# Altium PCB 11BRANMB10H2_20170927.pcbdoc (part 2 of 11)
Units mm, origin at the board's own origin, x right, y up, seen from the top; angles counter-clockwise.
Board outline 91.65 x 48.25 mm, 6 copper layers (TOP, GND1, Singal, POWER, GND2, BOTTOM), stack 0.8 mm thick; 370 components, 289 nets, 1421 pads, 980 vias.
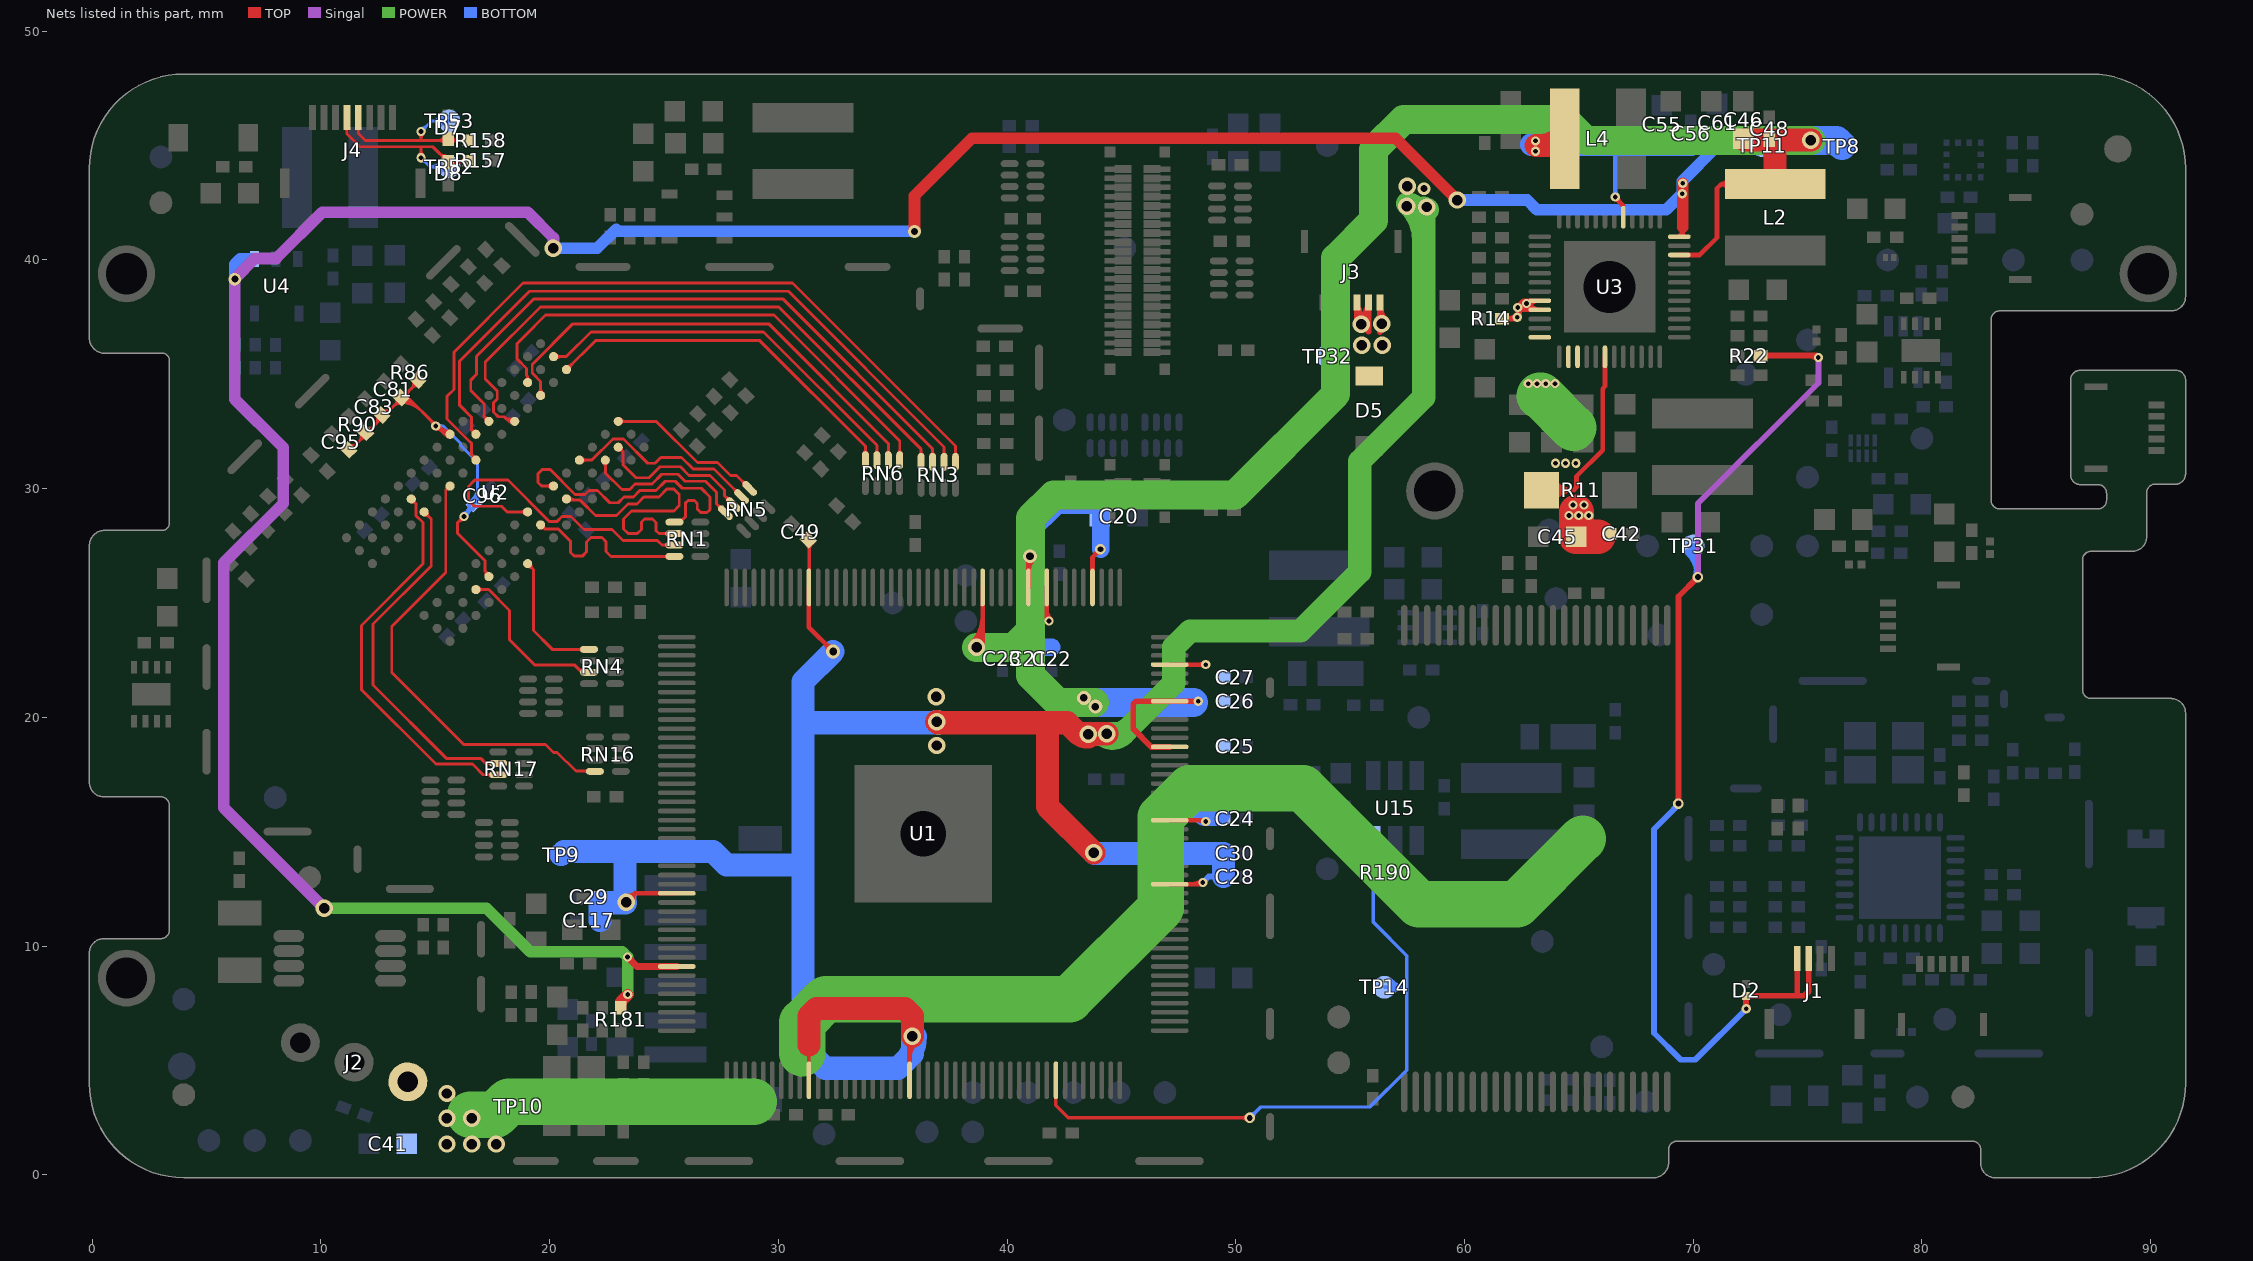
[diagram p6: the nets of this part, all layers, seen from the top]

## Via types
v1: diameter 0.406, hole 0.203, TOP to BOTTOM, tented both sides, 450 vias
v2: diameter 0.457, hole 0.254, TOP to BOTTOM, tented both sides, 256 vias
v3: diameter 0.559, hole 0.305, TOP to BOTTOM, tented both sides, 184 vias
v4: diameter 0.762, hole 0.457, TOP to BOTTOM, tented both sides, 69 vias
v5: diameter 0.61, hole 0.33, TOP to BOTTOM, tented both sides, 11 vias
v6: diameter 0.5, hole 0.2, TOP to BOTTOM, 9 vias
v7: diameter 0.508, hole 0.254, TOP to BOTTOM, tented both sides, 1 vias

## Nets (pads, with @x,y where several pads share a name; then routed paths per layer and width w, separated by ;. In a path a pad name is that pad's centre, name@x,y a point inside that pad or via, vN(x,y) a via of type N, cw(c..) or ccw(c..) an arc to the next point about the centre after c; other vN are vias at no path point) (continued)
AVCC: C61.1 R181.2 TP11.1 U1.81 U3.12 U4.1 | length 136.5
  TOP w0.203: U3.12@69.545,41.021 69.543,41.019 U3.12@69.393,41.019 69.545,41.171 ; 69.545,41.427 69.545,41.171 ; 69.545,41.171 cw(c69.391,41.171) 69.393,41.017 ccw(c69.391,41.171) 69.545,41.171 ; U3.12@69.394,41.018 ccw(c69.029,41.383) 69.545,41.383 cw(c69.029,41.383) U3.12@69.394,41.018
  TOP w0.305: v1(23.406,9.525) 23.823,9.108 U1.81@25.56,9.108
  TOP w0.508: R181.2@23.105,7.307 23.105,7.564 v1@23.417,7.876 ; v3(35.953,41.25) 35.953,42.811 38.468,45.326 56.985,45.326 v4(59.69,42.621) ; 69.545,41.427 69.545,42.9 v1(69.545,43.358) ; R181.2@23.101,7.357 cw(c23.591,7.357) 23.245,7.704 ccw(c23.591,7.357) R181.2@23.101,7.357
  Singal w0.508: v4(10.147,11.659) 5.753,16.053 5.753,26.758 8.344,29.35 8.344,31.8 6.236,33.909 v3(6.236,39.16) 6.236,39.186 7.112,40.062 8.033,40.062 10.055,42.084 19.04,42.084 20.166,40.959 v4(20.166,40.521)
  POWER w0.508: v4@10.198,11.709 v4(10.147,11.659) 17.238,11.659 19.147,9.749 23.181,9.749 v1(23.406,9.525) 23.417,9.514 v1(23.417,7.885)
  BOTTOM w0.508: v3(6.236,39.16) 6.236,39.821 6.464,40.049 U4.1@7.089,40.049 ; v4(20.166,40.521) 22.081,40.521 22.911,41.351 23.012,41.25 v3(35.953,41.25) ; v4(59.69,42.621) 62.738,42.621 63.162,42.197 68.817,42.197 v1(69.52,42.9) 69.52,43.358 69.52,43.449 71.042,44.972 C61.1@71.042,45.17 72.83,45.17 TP11.1@73,45 ; 72.419,45.061 ccw(c72.564,45.312) TP11.1@72.8,45.143 ; 71.515,45.17 ccw(c71.515,44.696) 71.181,45.031 cw(c71.515,44.696) 71.515,45.17 ; 71.515,45.17 cw(c71.515,45.643) 71.181,45.308 ccw(c71.515,45.643) 71.515,45.17 ; 70.568,44.497 ccw(c69.895,45.17) 70.846,45.17 cw(c69.895,45.17) 70.568,44.497 ; 71.997,45.17 cw(c71.997,43.997) 72.826,44.826 ccw(c71.997,43.997) 71.997,45.17
BA0: RN17.3 U2.M2 | length 17.9
  TOP w0.127: U2.M2@13.948,29.551 14.148,29.35 ; U2.M2@13.963,29.415 cw(c13.988,29.19) 14.148,29.35 ; U2.M2@14.083,29.535 ccw(c14.308,29.51) 14.148,29.35 ; RN17.3@17.448,17.429 ccw(c17.297,17.277) 17.297,17.492 ccw(c17.297,17.707) RN17.3@17.448,17.555 ; RN17.3@17.752,17.492 17.089,17.492 16.625,17.956 15.025,17.956 11.773,21.207 11.773,24.023 14.466,26.715 14.466,28.516 14.148,28.834 14.148,29.35
BA1: RN4.3 U2.N8 | length 8.4
  TOP w0.127: U2.N8@16.776,25.591 17.333,25.591 18.25,24.674 18.25,23.391 19.343,22.299 21.075,22.299 RN4.3@21.38,21.994 ; U2.N8@16.873,25.495 cw(c17.106,25.261) 17.106,25.591 cw(c17.106,25.921) U2.N8@16.873,25.688 ; 21.192,22.182 ccw(c21.483,22.473) RN4.3@21.483,22.062 ; RN4.3@21.38,21.994 21.703,21.994 RN4.3@21.724,21.973 RN4.3@21.38,21.994
BA2: RN17.2 U2.M3 | length 16.5
  TOP w0.127: U2.M3@14.513,28.848 cw(c14.513,28.519) 14.747,28.752 cw(c14.98,28.985) U2.M3@14.65,28.985 ; U2.M3@14.513,28.985 14.821,28.677 14.821,26.617 12.281,24.077 12.281,21.41 15.482,18.21 16.984,18.21 17.202,17.992 RN17.2@17.752,17.992 ; RN17.2@17.448,17.929 ccw(c17.297,17.777) 17.297,17.992 ccw(c17.297,18.207) RN17.2@17.448,18.055
BAT: C41.2 C42.2 C45.1 J2.1 R11.1 TP10.1 U3.38 U3.39 U3.42 | length 77.4
  TOP w0.203: R11.1@63.236,29.929 R11.1@63.363,29.929 64.768,29.929 ; U3.42@66.143,35.769 66.143,34.478 66.038,34.373 66.038,31.675 64.895,30.532 64.895,30.056 64.768,29.929 ; 64.334,29.929 ccw(c64.334,29.12) 63.713,29.638 cw(c64.334,29.12) 64.334,29.929 ; 64.334,29.929 cw(c64.334,30.738) 63.713,30.22 ccw(c64.334,30.738) 64.334,29.929 ; 64.768,29.929 ccw(c64.768,28.759) 63.869,29.508 cw(c64.768,28.759) 64.768,29.929 ; 64.768,29.929 cw(c64.768,31.099) 63.869,30.35 ccw(c64.768,31.099) 64.768,29.929
  TOP w0.508: R11.1@63.363,29.417 R11.1@63.363,29.929
  TOP w1.524: v1@64.898,28.977 64.898,28.829 64.898,27.913 C45.1@64.882,27.897 64.999,27.897 65.43,27.897 65.835,27.897
  POWER w2.032: v4@16.534,2.624 16.59,2.624 17.626,2.624 18.202,3.2 28.931,3.2 ; 31.051,5.321 31.051,6.665 32.065,7.679 42.735,7.679 46.725,11.668 46.725,15.645 47.978,16.898 52.939,16.898 58.007,11.83 62.299,11.83 65.164,14.694 ; 63.295,34.069 63.346,34.069 63.389,34.026 64.752,32.663
  other v1: 64.567,28.829 64.999,28.829 65.43,28.829 64.745,29.286 65.227,29.286 63.983,31.115 64.414,31.115 64.872,31.115 62.787,34.595 63.168,34.595 63.551,34.595 63.957,34.595
  other v4: 15.51,1.346 16.59,1.346 17.669,1.346 15.51,2.464 16.59,2.464 15.51,3.556
BOOST_EN: R190.1 TP14.1 U1.125 U15.3 | length 40.8
  TOP w0.127: U1.125@42.135,4.013 U1.125@42.135,4.133
  TOP w0.152: U1.125@42.135,4.013 42.135,3.045 42.684,2.497 50.601,2.497 v2(50.609,2.489) ; 50.222,2.497 cw(c50.222,2.102) 50.501,2.381 ccw(c50.222,2.102) 50.222,2.497 ; 50.26,2.497 ccw(c50.26,2.838) 50.501,2.597 cw(c50.26,2.838) 50.26,2.497
  BOTTOM w0.152: v2(50.609,2.489) 51.085,2.965 55.865,2.965 57.478,4.579 57.478,8.204 ; U15.3@56.02,14.608 56.02,13.229 56.02,11.036 57.478,9.578 57.478,8.204 ; TP14.1@56.504,8.204 57.478,8.204 ; 50.869,2.749 ccw(c51.129,2.489) 50.761,2.489 cw(c51.129,2.489) 50.869,2.749 ; 50.869,2.749 cw(c50.609,3.01) 50.609,2.642 ccw(c50.609,3.01) 50.869,2.749 ; 56.02,13.708 ccw(c55.438,13.708) 55.85,14.119 cw(c55.438,13.708) 56.02,13.708 ; 56.02,13.708 cw(c56.603,13.708) 56.191,14.119 ccw(c56.603,13.708) 56.02,13.708 ; 57.478,8.204 ccw(c57.478,7.296) 56.811,7.912 cw(c57.478,7.296) 57.478,8.204 ; 57.478,8.204 cw(c57.478,9.131) 56.807,8.492 ccw(c57.478,9.131) 57.478,8.204 ; R190.1@55.88,13.106 cw(c55.541,12.767) 56.02,12.767 ccw(c55.541,12.767) R190.1@55.88,13.106 ; R190.1@55.88,13.352 ccw(c55.541,13.691) 56.02,13.691 cw(c55.541,13.691) R190.1@55.88,13.352 ; 56.02,12.852 cw(c56.381,12.852) 56.126,13.106 ccw(c56.381,12.852) 56.02,12.852 ; 56.02,13.606 ccw(c56.381,13.606) 56.126,13.352 cw(c56.381,13.606) 56.02,13.606 ; TP14.1@56.697,8.387 ccw(c57.123,8.793) 57.123,8.204 cw(c57.123,8.793) TP14.1@56.697,8.387 ; TP14.1@56.699,8.016 cw(c57.13,7.618) 57.13,8.204 ccw(c57.13,7.618) TP14.1@56.699,8.016
BUTTON: D2.1 J1.1 J1.2 R22.2 TP31.1 | length 59.4
  TOP w0.254: v2(69.354,16.231) 69.354,25.283 v2(70.204,26.132) ; D2.1@72.312,7.812 72.312,7.278 v1(72.326,7.264) ; D2.1@72.312,7.831 74.852,7.831 75.05,8.029 J1.2@75.05,9.35 ; D2.1@72.326,7.736 72.326,7.812 D2.1@72.326,7.824 ; R22.2@73.036,35.72 R22.2@72.939,35.817 75.397,35.817 v1(75.476,35.738) ; 74.55,7.879 J1.1@74.55,9.35 ; 75.255,35.78 ccw(c75.33,35.909) v1@75.426,35.796 ; 69.354,16.476 ccw(c69.599,16.476) 69.426,16.302 cw(c69.599,16.476) 69.354,16.476 ; 69.354,16.476 cw(c69.109,16.476) 69.282,16.302 ccw(c69.109,16.476) 69.354,16.476 ; 70.03,25.959 ccw(c69.857,26.132) 70.102,26.132 cw(c69.857,26.132) 70.03,25.959 ; 70.03,25.959 cw(c70.204,25.786) 70.204,26.031 ccw(c70.204,25.786) 70.03,25.959 ; 73.286,35.817 ccw(c73.286,35.52) 73.076,35.73 cw(c73.286,35.52) 73.286,35.817 ; 73.286,35.817 cw(c73.286,36.114) 73.076,35.904 ccw(c73.286,36.114) 73.286,35.817 ; 72.312,7.481 ccw(c72.543,7.481) 72.38,7.318 cw(c72.543,7.481) 72.312,7.481 ; 75.101,35.817 cw(c75.101,35.363) 75.422,35.684 ccw(c75.101,35.363) 75.101,35.817
  Singal w0.254: v2(70.204,26.132) 70.204,29.348 75.476,34.62 v1(75.476,35.738) ; 70.204,26.378 ccw(c70.449,26.378) 70.276,26.204 cw(c70.449,26.378) 70.204,26.378 ; 70.204,26.378 cw(c69.959,26.378) 70.132,26.204 ccw(c69.959,26.378) 70.204,26.378
  BOTTOM w0.254: v2@69.38,16.205 68.287,15.113 68.287,6.198 69.456,5.029 70.091,5.029 v1(72.326,7.264) ; TP31.1@70,27.5 70.204,27.296 v2(70.204,26.132) ; v2@70.116,26.183 ccw(c69.915,26.299) 70.139,26.359 ; v2@70.116,26.183 ccw(c69.915,26.299) 70.139,26.359 ; v2@70.116,26.183 ccw(c69.915,26.299) 70.139,26.359 ; 70.134,26.377 ccw(c70.384,26.444) v2@70.255,26.22 ; 70.134,26.377 ccw(c70.384,26.444) v2@70.255,26.22 ; 70.134,26.377 ccw(c70.384,26.444) v2@70.255,26.22 ; 70.204,26.378 ccw(c70.449,26.378) 70.276,26.204 cw(c70.449,26.378) 70.204,26.378 ; 70.204,26.378 cw(c69.959,26.378) 70.132,26.204 ccw(c69.959,26.378) 70.204,26.378 ; 69.145,15.97 ccw(c68.885,16.231) 69.253,16.231 cw(c68.885,16.231) 69.145,15.97 ; TP31.1@69.738,27.235 cw(c68.631,26.117) 70.204,26.117 ccw(c68.631,26.117) TP31.1@69.738,27.235 ; TP31.1@69.916,27.415 cw(c69.234,26.726) 70.204,26.726 ccw(c69.234,26.726) TP31.1@69.916,27.415
CAS: RN16.4 U2.K3 | length 20.6
  TOP w0.127: U2.K3@15.51,30.095 cw(c15.32,30.064) 15.456,29.928 ; U2.K3@15.623,29.982 ccw(c15.593,29.792) 15.456,29.928 ; U2.K3@15.645,30.117 15.456,29.928 ; 21.5,17.651 cw(c21.5,17.401) RN16.4@21.676,17.578 ; 21.55,17.651 ccw(c21.55,17.83) RN16.4@21.676,17.703 ; RN16.4@21.981,17.641 21.97,17.651 21.146,17.651 20.327,18.47 20.173,18.47 19.824,18.819 16.244,18.819 13.094,21.969 13.094,23.976 15.456,26.338 15.456,29.928
CHGLED: U3.36
CKE: RN4.1 U2.K9 | length 7.2
  TOP w0.127: U2.K9@19.039,26.586 cw(c19.039,26.256) 19.272,26.489 cw(c19.505,26.722) U2.K9@19.176,26.722 ; U2.K9@19.039,26.722 19.292,26.47 19.292,23.801 19.597,23.496 19.741,23.353 20.133,22.96 21.301,22.96 ; 21.236,22.96 ccw(c21.236,23.22) RN4.1@21.42,23.036 ; 21.301,22.96 cw(c21.301,22.791) 21.42,22.91 ccw(c21.301,22.792) 21.301,22.96 ; RN4.1@21.407,23.019 cw(c21.301,23.083) 21.301,22.96 ; RN4.1@21.41,22.923 ccw(c21.315,22.858) 21.315,22.973 ; RN4.1@21.41,23.023 cw(c21.315,23.088) 21.315,22.973 ; RN4.1@21.724,22.973 21.315,22.973 ; 21.301,22.96 21.315,22.973
CORE-VDD: C28.2 C29.2 C30.2 C49.1 C55.1 C56.1 C117.1 L4.2 TP9.1 U1.35 U1.73 U1.98 U1.109 U1.149 U3.17 | length 168.2
  TOP w0.152: U1.98@31.335,4.133 31.335,5.672 ; U1.35@31.335,25.683 31.347,25.694 C49.1@31.347,27.719 ; C49.1@31.217,27.603 cw(c30.903,27.289) 31.347,27.289 ccw(c30.903,27.289) C49.1@31.217,27.603 ; 31.347,27.324 cw(c31.742,27.324) 31.463,27.603 ccw(c31.742,27.324) 31.347,27.324
  TOP w0.203: v4@23.331,11.994 ccw(c23.259,12.488) 23.736,12.34 ; v4(23.343,11.919) 23.732,12.308 ; v4@23.383,12.195 ccw(c23.443,12.606) 23.732,12.308 ; v4@23.392,12.193 ccw(c23.459,12.557) 23.724,12.3 ccw(c24.005,12.027) 23.618,11.964 cw(c24.005,12.027) 23.732,12.308 ; v4@23.418,11.907 cw(c23.912,11.835) 23.764,12.312 ; v4@23.617,11.968 cw(c23.981,12.035) 23.724,12.3 cw(c23.451,12.581) 23.388,12.194 ccw(c23.451,12.581) 23.732,12.308 ; v4@23.619,11.959 cw(c24.03,12.019) 23.732,12.308 ; U1.73@25.56,12.308 23.732,12.308 ; U1.35@31.335,25.683 31.335,23.938 v5(32.393,22.881) ; 32.121,23.137 ccw(c32.464,23.229) v5(32.393,22.881) ; 32.137,23.153 cw(c32.045,22.81) v5(32.393,22.881) ; U1.109@35.735,4.133 35.735,5.925 v4(35.863,6.053) ; U1.149@47.11,12.708 v1@48.487,12.708 ; 48.314,12.753 cw(c48.38,12.639) v1@48.483,12.721 ; v1(66.597,42.756) 66.597,42.715 66.943,42.369 U3.17@66.943,41.869 ; 23.732,12.308 ccw(c24.017,12.023) 23.619,11.961 cw(c24.017,12.023) 23.732,12.308 ; 23.732,12.308 cw(c23.447,12.593) 23.385,12.195 ccw(c23.447,12.593) 23.732,12.308 ; 32.046,23.228 ccw(c32.393,23.575) 32.393,23.084 cw(c32.393,23.575) 32.046,23.228 ; 32.046,23.228 cw(c31.699,22.881) 32.189,22.881 ccw(c31.699,22.881) 32.046,23.228 ; v4@35.665,5.855 cw(c35.497,5.687) 35.735,5.687 ccw(c35.497,5.687) v4@35.665,5.855 ; 35.735,5.07 cw(c36.846,5.07) 36.061,5.855 ccw(c36.846,5.07) 35.735,5.07 ; 35.735,5.56 cw(c36.356,5.56) 35.917,5.999 ccw(c36.356,5.56) 35.735,5.56 ; 48.134,12.708 ccw(c48.134,13.213) 48.491,12.856 cw(c48.134,13.213) 48.134,12.708 ; v1@66.699,42.756 ccw(c67.042,42.756) 66.799,42.513 cw(c67.042,42.756) v1@66.699,42.756 ; 66.875,42.437 cw(c66.707,42.269) 66.945,42.269 ccw(c66.707,42.269) 66.875,42.437
  TOP w1.016: 31.335,5.672 31.335,6.935 31.672,7.272 35.533,7.272 35.863,6.942 v4(35.863,6.053) ; v4(36.923,19.812) 36.965,19.769 42.634,19.769 43.118,19.285 43.548,19.285 v4(44.361,19.285) ; 41.768,19.706 41.768,16.099 v4(43.79,14.078) ; 63.143,45.002 64.091,45.002 L4.2@64.385,45.296 ; L4.2@63.75,45.088 cw(c64.132,44.426) L4.2@64.345,45.16 ; 43.052,19.35 ccw(c43.548,19.846) 43.548,19.145 cw(c43.548,19.846) 43.052,19.35 ; 63.333,45.002 ccw(c63.333,46.348) 64.285,45.396 cw(c63.333,46.348) 63.333,45.002
  POWER w1.016: v4(43.548,19.272) 43.561,19.285 v4(44.361,19.285) 45.082,19.285 ; v4@57.72,42.322 ccw(c58.201,43.04) v4@58.368,42.192 ; v4@58.215,42.27 58.215,33.993 55.421,31.199 55.421,26.373 52.822,23.774 47.996,23.774 47.293,23.071 47.293,21.495 45.082,19.285 ; 45.082,19.284 cw(c44.617,19.75) 44.3,19.173 ccw(c44.617,19.75) 45.082,19.284 ; v4@44.361,19.158 ccw(c44.361,20.592) 45.375,19.578 cw(c44.361,20.592) v4@44.361,19.158 ; v4@57.505,42.466 cw(c57.336,41.603) 58.215,41.603 ccw(c57.336,41.603) v4@57.505,42.466 ; v4@57.57,42.431 cw(c56.013,40.874) 58.215,40.874 ccw(c56.013,40.874) v4@57.57,42.431
  BOTTOM w0.203: v1(66.597,42.756) 66.597,44.912 ; 66.597,43.001 ccw(c66.842,43.001) 66.669,42.828 cw(c66.842,43.001) 66.597,43.001 ; 66.597,43.001 cw(c66.352,43.001) 66.525,42.828 ccw(c66.352,43.001) 66.597,43.001
  BOTTOM w0.254: v1(48.563,12.784) 48.817,13.038 C28.2@49.46,13.038 ; 49.113,13.038 ccw(c49.113,13.335) 49.323,13.125 cw(c49.113,13.335) 49.113,13.038 ; 49.113,13.038 cw(c49.113,12.741) 49.323,12.951 ccw(c49.113,12.741) 49.113,13.038
  BOTTOM w0.508: C29.2@22.217,12.166 22.465,11.919 23.292,11.919 v4(23.343,11.919) ; 31.326,5.672 31.326,8.047 ; C29.2@22.264,12.164 ccw(c22.856,12.755) 22.856,11.919 cw(c22.856,12.755) C29.2@22.264,12.164
  BOTTOM w1.016: TP9.1@20.5,14 20.631,14.131 27.148,14.131 27.738,13.54 30.403,13.54 30.408,13.546 31.072,13.546 ; C117.1@22.199,11.121 22.199,11.895 22.217,11.895 v4@23.319,11.895 ; v4@23.292,11.919 23.292,14.097 ; v5@32.39,22.876 31.072,21.558 31.072,19.769 ; v4(35.863,6.053) 35.863,5.291 35.228,4.656 32.053,4.656 31.072,5.637 31.072,13.546 ; v4(36.923,19.812) 36.963,19.812 37.006,19.769 36.923,19.769 31.072,19.769 ; v4@43.823,14.054 C30.2@49.46,14.054 C28.2@49.46,13.038 ; 62.928,45.05 63.106,45.05 68.629,45.05 C56.1@69.899,45.05 ; 31.072,13.546 31.072,19.769 ; 35.541,4.969 ccw(c34.457,6.053) 35.99,6.053 cw(c34.457,6.053) 35.541,4.969
  other v1: 63.106,44.748 63.106,45.205
  other v3: 58.231,43.117
  other v4: 36.923,18.77 36.897,20.904 58.344,42.316 57.48,42.342 57.506,43.231
CPU-VDD: C20.2 C21.2 C22.2 C23.2 C24.2 C25.2 C26.2 C27.2 C46.1 C48.1 L2.2 TP8.1 U1.4 U1.9 U1.11 U1.16 U1.156 U1.164 U1.169 U1.173 U3.10 | length 120
  TOP w0.203: v4@38.593,23.333 ccw(c38.483,23.742) 38.85,23.53 ; 38.876,23.576 ccw(c39.158,23.413) v4@38.893,23.225 ; 38.935,23.333 U1.16@38.935,25.683 ; U1.11@40.935,25.683 40.935,27.047 v5(41.003,27.047) ; U1.9@41.735,25.683 41.735,24.311 v1(41.832,24.214) ; v1@41.758,24.284 ccw(c41.629,24.406) 41.783,24.495 ; U1.4@43.735,25.683 43.735,27.003 v2(44.082,27.349) ; U1.156@47.11,15.508 v1@48.633,15.508 ; U1.173@47.11,22.308 v1@48.689,22.308 ; U3.10@69.393,40.219 70.283,40.219 71.042,40.978 71.042,43.137 71.222,43.317 ; L2.2@73.582,43.317 71.222,43.317 ; 43.865,27.132 ccw(c43.648,27.349) 43.955,27.349 cw(c43.648,27.349) 43.865,27.132 ; 43.865,27.132 cw(c44.082,26.916) 44.082,27.222 ccw(c44.082,26.916) 43.865,27.132 ; 71.222,43.317 ccw(c71.222,43.641) 71.523,43.521 cw(c71.222,43.641) 71.222,43.317 ; 71.222,43.317 cw(c71.222,42.993) 71.523,43.113 ccw(c71.222,42.993) 71.222,43.317 ; v4@38.467,23.261 ccw(c37.338,24.39) 38.935,24.39 cw(c37.338,24.39) v4@38.467,23.261 ; v4@38.611,23.117 ccw(c37.829,23.899) 38.935,23.899 cw(c37.829,23.899) v4@38.611,23.117 ; v4@38.755,22.973 ccw(c38.32,23.408) 38.935,23.408 cw(c38.32,23.408) v4@38.755,22.973 ; v5@40.86,26.903 cw(c40.677,26.721) 40.935,26.721 ccw(c40.677,26.721) v5@40.86,26.903 ; U1.11@40.935,26.392 cw(c41.658,26.392) 41.147,26.903 ccw(c41.658,26.392) U1.11@40.935,26.392 ; 41.735,24.693 ccw(c42.311,24.693) 41.904,24.286 cw(c42.311,24.693) 41.735,24.693 ; 48.308,15.508 cw(c48.308,15.069) 48.618,15.379 ccw(c48.308,15.069) 48.308,15.508 ; 48.442,22.308 ccw(c48.442,22.557) 48.618,22.381 cw(c48.442,22.557) 48.442,22.308 ; 48.448,22.308 cw(c48.448,22.067) 48.618,22.237 ccw(c48.448,22.067) 48.448,22.308
  TOP w0.254: U1.164@47.11,18.708 46.305,18.708 45.515,19.498 45.515,20.581 45.642,20.708 U1.169@47.11,20.708 v1(48.359,20.708)
  TOP w1.016: C46.1@72.24,45.241 C48.1@73.328,45.241 73.582,45.241 ; L2.2@73.582,43.317 73.582,45.241 ; v4@75.138,45.241 73.582,45.241
  POWER w1.27: v4(38.665,23.063) 40.3,23.063 41.029,23.792 ; v5@43.823,20.646 43.356,20.646 42.225,20.646 41.029,21.842 41.029,23.792 ; v4(75.146,45.233) 65.295,45.233 64.382,46.145 57.338,46.145 56.02,44.827 56.02,41.733 54.368,40.081 54.368,34.131 49.963,29.726 42.038,29.726 41.029,28.716 41.029,27.047 41.029,24.214 41.029,23.792
  BOTTOM w0.762: C23.2@39.8,23.063 C21.2@40.943,23.063 ; C22.2@41.959,23.063 C21.2@40.943,23.063 ; v2@44.093,27.349 44.093,28.786 44.093,29.282 44.054,29.282 42.222,29.282 41.003,28.063 v5(41.003,27.047) 41.003,23.123 C21.2@40.943,23.063
  BOTTOM w1.016: 48.144,16.251 48.639,15.756 48.69,15.756 C24.2@49.249,15.756
  BOTTOM w1.27: v5@43.671,20.658 43.864,20.658 48.132,20.658 ; 48.132,20.646 48.132,20.658 ; 48.144,20.658 48.132,20.658 ; v4(75.146,45.233) 76.267,45.233 TP8.1@76.5,45
  other v1: 48.69,15.451 48.69,22.309
  other v5: 43.864,20.468 43.356,20.849
D+: D7.1 J4.5 R158.1 TP53.1 | length 17.7
  TOP w0.127: J4.5@11.632,46.23 11.632,45.528 11.929,45.231 14.376,45.231 ; v1(14.376,45.618) 14.376,45.231 ; R158.1@16.48,45.231 15.557,45.231 14.376,45.231 ; 11.632,45.621 ccw(c11.423,45.621) 11.571,45.769 cw(c11.423,45.621) 11.632,45.621 ; 11.632,45.621 cw(c11.841,45.621) 11.693,45.769 ccw(c11.841,45.621) 11.632,45.621 ; 14.376,45.281 ccw(c14.039,45.281) 14.278,45.519 cw(c14.039,45.281) 14.376,45.281 ; 14.376,45.281 cw(c14.714,45.281) 14.475,45.519 ccw(c14.714,45.281) 14.376,45.281 ; 15.98,45.231 ccw(c15.98,45.681) 16.298,45.363 cw(c15.98,45.681) 15.98,45.231 ; 15.98,45.231 cw(c15.98,44.781) 16.298,45.099 ccw(c15.98,44.781) 15.98,45.231 ; 15.086,45.231 ccw(c15.086,45.711) 15.426,45.371 cw(c15.086,45.711) 15.086,45.231 ; 15.128,45.231 cw(c15.128,44.811) 15.426,45.108 ccw(c15.128,44.811) 15.128,45.231 ; D7.1@15.689,45.108 cw(c15.986,44.811) 15.986,45.231 ccw(c15.986,44.811) D7.1@15.689,45.108 ; D7.1@15.689,45.371 ccw(c16.029,45.711) 16.029,45.231 cw(c16.029,45.711) D7.1@15.689,45.371
  BOTTOM w0.127: v1(14.376,45.618) 14.835,46.077 TP53.1@15.6,46.077 ; 14.615,45.857 ccw(c14.853,45.618) 14.516,45.618 cw(c14.853,45.618) 14.615,45.857 ; 14.615,45.857 cw(c14.376,46.095) 14.376,45.758 ccw(c14.376,46.095) 14.615,45.857 ; 14.835,46.077 ccw(c14.835,46.529) 15.224,46.299 cw(c14.835,46.529) 14.835,46.077 ; 14.835,46.077 cw(c14.835,45.626) 15.224,45.855 ccw(c14.835,45.626) 14.835,46.077 ; 15.058,46.077 ccw(c15.058,46.397) 15.333,46.235 cw(c15.058,46.397) 15.058,46.077 ; 15.058,46.077 cw(c15.058,45.757) 15.333,45.92 ccw(c15.058,45.757) 15.058,46.077
D-: D8.1 J4.4 R157.1 TP52.1 | length 20.1
  TOP w0.127: J4.4@11.132,46.23 11.132,45.528 11.708,44.951 14.376,44.951 ; v1(14.376,44.475) 14.376,44.951 ; D8.1@15.409,44.559 cw(c15.331,44.265) D8.1@15.622,44.352 ; R157.1@16.48,44.342 16.421,44.283 D8.1@15.557,44.283 14.889,44.951 14.376,44.951 ; 11.132,45.621 ccw(c10.923,45.621) 11.071,45.769 cw(c10.923,45.621) 11.132,45.621 ; 11.132,45.621 cw(c11.341,45.621) 11.193,45.769 ccw(c11.341,45.621) 11.132,45.621 ; 14.376,44.812 ccw(c14.714,44.812) 14.475,44.574 cw(c14.714,44.812) 14.376,44.812 ; 14.376,44.812 cw(c14.039,44.812) 14.278,44.574 ccw(c14.039,44.812) 14.376,44.812 ; 16.008,44.283 ccw(c16.008,43.833) 15.689,44.151 cw(c16.008,43.833) 16.008,44.283 ; 16.008,44.283 cw(c16.008,44.733) 15.689,44.415 ccw(c16.008,44.733) 16.008,44.283 ; 15.154,44.687 ccw(c15.557,45.09) 15.557,44.519 cw(c15.557,45.09) 15.154,44.687 ; 15.274,44.566 cw(c15.041,44.333) 15.371,44.333 ccw(c15.041,44.333) 15.274,44.566 ; 15.838,44.283 ccw(c15.838,44.934) 16.298,44.474 cw(c15.838,44.934) 15.838,44.283 ; 16.122,44.283 cw(c16.122,44.034) 16.298,44.21 ccw(c16.122,44.034) 16.122,44.283 ; 16.144,44.283 ccw(c16.144,44.627) 16.388,44.384 cw(c16.144,44.627) 16.144,44.283
  BOTTOM w0.127: v1(14.376,44.475) 14.774,44.077 ; TP52.1@15.6,44.077 14.774,44.077 ; 14.615,44.237 ccw(c14.376,43.998) 14.376,44.335 cw(c14.376,43.998) 14.615,44.237 ; 14.615,44.237 cw(c14.853,44.475) 14.516,44.475 ccw(c14.853,44.475) 14.615,44.237 ; 14.774,44.077 ccw(c14.774,44.64) 15.239,44.323 cw(c14.774,44.64) 14.774,44.077 ; 14.774,44.077 cw(c14.774,43.515) 15.239,43.831 ccw(c14.774,43.515) 14.774,44.077 ; 15.015,44.077 ccw(c15.015,44.476) 15.344,44.251 cw(c15.015,44.476) 15.015,44.077 ; 15.015,44.077 cw(c15.015,43.678) 15.344,43.903 ccw(c15.015,43.678) 15.015,44.077
DCIN-5V: D5.1 J3.1 J3.2 J3.3 R14.2 TP32.1 U3.32 U3.33 | length 27.7
  TOP w0.203: R14.2@61.636,37.422 62.235,37.422 v1(62.304,37.49) 62.406,37.593 v1@62.406,37.922 ; R14.2@61.79,37.528 ccw(c61.974,37.717) 62.043,37.462 ; 62.066,37.467 cw(c62.125,37.366) v1@62.22,37.432 ; v1@62.357,37.734 ccw(c62.463,37.658) v1@62.374,37.564 ; v1@62.412,37.819 62.713,37.819 ; v1@62.433,37.931 cw(c62.659,37.952) 62.498,38.113 ; 62.507,38.11 cw(c62.677,38.012) v1@62.751,38.194 ; v1@62.522,38.137 ccw(c62.737,37.922) v1@62.433,37.922 ; v1@62.733,38 cw(c62.785,37.744) U3.33@62.99,37.906 ; v1@62.772,38.182 ccw(c62.91,38.372) U3.32@63.028,38.168 ; U3.32@63.293,38.219 62.713,38.219 62.568,38.219 62.406,38.057 v1@62.406,37.922 ; 62.044,37.422 ccw(c62.044,37.064) 61.791,37.317 cw(c62.044,37.064) 62.044,37.422 ; 62.044,37.422 cw(c62.044,37.78) 61.791,37.527 ccw(c62.044,37.78) 62.044,37.422 ; v1@62.406,37.922 cw(c61.949,37.922) 62.239,37.569 ccw(c61.949,37.922) v1@62.406,37.922 ; v1@62.433,37.922 cw(c62.825,37.922) 62.548,38.199 ccw(c62.825,37.922) v1@62.433,37.922 ; 62.498,38.113 cw(c62.669,38.014) v1@62.759,38.19 ; 62.498,38.113 cw(c62.669,38.014) v1@62.759,38.19 ; 62.498,38.113 cw(c62.669,38.014) v1@62.759,38.19 ; v1@62.641,38.028 cw(c62.467,37.855) 62.713,37.855 ; v1@62.641,38.028 cw(c62.467,37.855) 62.713,37.855 ; v1@62.641,38.028 cw(c62.467,37.855) 62.713,37.855 ; v1@62.641,38.028 cw(c62.467,37.855) 62.713,37.855 ; 62.713,37.819 cw(c62.713,38.174) 62.416,37.978 ccw(c62.713,38.174) 62.713,37.819 ; 62.713,37.819 U3.33@63.293,37.819 ; 62.713,37.855 cw(c62.958,37.855) v1@62.784,38.028 ; 62.713,37.855 cw(c62.958,37.855) v1@62.784,38.028 ; 62.713,37.855 cw(c62.958,37.855) v1@62.784,38.028 ; 62.713,37.855 cw(c62.958,37.855) v1@62.784,38.028 ; v1@62.784,38.028 cw(c63.246,37.567) 63.246,38.219 ccw(c63.246,37.567) v1@62.784,38.028 ; U3.33@63.293,37.819 cw(c63.293,38.349) 62.806,38.14 ccw(c63.293,38.349) U3.33@63.293,37.819 ; R14.2@61.894,37.422 ccw(c61.894,37.9) 62.232,37.562 cw(c61.894,37.9) R14.2@61.894,37.422 ; v1@62.273,37.839 cw(c62.096,37.584) 62.406,37.584 ccw(c62.096,37.584) v1@62.273,37.839 ; v1@62.332,38.024 ccw(c62.332,38.21) 62.464,38.078 cw(c62.332,38.21) v1@62.332,38.024 ; v1@62.619,38.06 ccw(c62.985,38.217) 62.985,37.819 cw(c62.985,38.217) v1@62.619,38.06
  TOP w0.254: J3.3@55.289,37.93 cw(c55.172,37.729) 55.397,37.789 ; v4@55.3,37.083 55.3,37.185 J3.3@55.3,38.15 ; v4@55.676,37.358 cw(c55.866,37.534) 55.685,37.719 ; 55.703,37.789 cw(c55.928,37.729) J3.2@55.812,37.93 ; 55.8,36.865 55.8,37.185 J3.2@55.8,38.15 ; v4@56.3,36.857 56.3,37.211 J3.1@56.3,38.15 ; J3.3@55.3,38.15 ccw(c56.316,38.15) 55.655,37.378 cw(c56.316,38.15) J3.3@55.3,38.15 ; v4(55.49,37.185) cw(c55.843,37.598) 55.3,37.598 ccw(c55.843,37.598) v4(55.49,37.185) ; v4(55.49,37.185) ccw(c55.192,37.716) 55.8,37.716 cw(c55.192,37.716) v4(55.49,37.185) ; J3.2@55.8,38.15 cw(c54.947,38.15) 55.365,37.407 ccw(c54.947,38.15) J3.2@55.8,38.15 ; v4@56.199,37.39 ccw(c55.957,37.633) 56.3,37.633 cw(c55.957,37.633) v4@56.199,37.39 ; J3.1@56.3,38.015 ccw(c57.183,38.015) 56.559,37.39 cw(c57.183,38.015) J3.1@56.3,38.015
  other v1: 62.332,37.922 62.713,38.1
  other v4: 55.515,36.271 56.404,36.271 56.379,37.211
DQ0: RN3.4 U2.E3 | length 28.2
  TOP w0.127: 18.149,33.014 ccw(c18.353,33.219) U2.E3@18.47,32.954 ; U2.E3@18.36,32.869 ccw(c18.218,32.774) 18.218,32.945 ; U2.E3@18.36,33.021 cw(c18.218,33.115) 18.218,32.945 ; U2.E3@18.419,33.07 cw(c18.273,33.401) 18.017,33.146 ; U2.E3@18.473,32.945 18.218,32.945 ; RN3.4@36.183,31.474 ccw(c36.031,31.625) 36.245,31.625 ccw(c36.46,31.625) RN3.4@36.308,31.474 ; RN3.4@36.245,31.169 36.245,31.72 30.02,37.946 19.597,37.946 17.184,35.533 17.184,34.792 17.707,34.268 17.707,33.925 17.542,33.76 17.542,33.359 17.756,33.146 18.017,33.146 ; 18.017,33.146 18.218,32.945
DQ1: RN1.1 U2.F7 | length 14.3
  TOP w0.127: U2.F7@20.074,30.02 ccw(c19.841,29.787) 19.841,30.117 ccw(c19.841,30.446) U2.F7@20.074,30.213 ; U2.F7@20.17,30.117 19.653,30.117 19.495,30.275 19.495,30.656 19.673,30.834 20.029,30.834 21.111,29.751 21.551,29.751 21.716,29.916 22.094,29.916 22.624,29.386 23,29.386 23.254,29.64 23.661,29.64 23.94,29.919 24.651,29.919 25.058,30.326 25.489,30.326 25.794,30.021 26.632,30.021 27.013,29.64 27.013,29.081 26.886,28.954 26.607,28.954 26.455,29.106 26.455,29.358 26.328,29.485 26.046,29.485 25.947,29.386 25.947,28.789 25.693,28.536 RN1.1@25.458,28.536 ; RN1.1@25.699,28.625 ccw(c25.699,28.823) 25.84,28.683 ; RN1.1@25.788,28.536 cw(c26.019,28.536) 25.856,28.699
DQ2: RN3.3 U2.F2 | length 28.3
  TOP w0.127: U2.F2@17.206,32.958 ccw(c16.968,32.981) 17.137,33.15 ; U2.F2@17.329,33.081 cw(c17.306,33.318) 17.137,33.15 ; U2.F2@17.342,32.945 17.137,33.15 ; RN3.3@36.683,31.474 ccw(c36.531,31.625) 36.746,31.625 ccw(c36.96,31.625) RN3.3@36.808,31.474 ; RN3.3@36.746,31.169 36.746,31.744 30.188,38.301 19.317,38.301 16.803,35.786 16.803,34.999 16.549,34.745 16.549,34.295 17.142,33.702 17.142,33.359 17.137,33.15
DQ3: RN1.2 U2.F8 | length 13.5
  TOP w0.127: U2.F8@20.736,29.551 20.789,29.497 21.339,29.497 22.01,28.827 22.924,28.827 23.432,29.335 23.813,29.335 24.118,29.64 24.778,29.64 25.12,29.982 25.427,29.982 25.667,29.741 25.667,29.259 25.439,29.03 23.584,29.03 23.229,28.675 23.229,28.243 23.436,28.036 23.834,28.036 24.016,28.217 24.016,28.548 24.143,28.675 24.498,28.675 24.651,28.522 24.651,28.163 24.778,28.036 RN1.2@25.458,28.036 ; U2.F8@20.833,29.454 cw(c20.937,29.35) 20.937,29.497 ; U2.F8@20.833,29.647 ccw(c21.194,30.009) 21.194,29.497 ; RN1.2@25.154,27.973 ccw(c25.002,27.821) 25.002,28.036 ccw(c25.002,28.25) RN1.2@25.154,28.098
DQ4: RN3.1 U2.H3 | length 32.9
  TOP w0.127: 16.633,31.444 ccw(c16.776,31.586) U2.H3@16.776,31.384 ; U2.H3@16.645,31.284 ccw(c16.446,31.339) 16.592,31.485 ; U2.H3@16.776,31.248 16.776,31.301 16.592,31.485 ; RN3.1@37.683,31.474 ccw(c37.531,31.625) 37.746,31.625 ccw(c37.96,31.625) RN3.1@37.808,31.474 ; RN3.1@37.746,31.169 37.746,31.862 30.62,38.987 18.835,38.987 15.812,35.964 15.812,34.339 15.515,34.042 15.515,33.048 16.368,32.195 16.592,31.971 16.592,31.485
DQ5: RN1.4 U2.H8 | length 8.6
  TOP w0.127: U2.H8@19.605,28.419 19.781,28.243 ; U2.H8@19.634,28.286 cw(c19.668,28.13) 19.781,28.243 ; U2.H8@19.738,28.39 ccw(c19.894,28.356) 19.781,28.243 ; RN1.4@25.154,26.973 ccw(c25.002,26.821) 25.002,27.036 ccw(c25.002,27.25) RN1.4@25.154,27.098 ; RN1.4@25.458,27.036 22.683,27.036 22.467,27.252 22.467,27.684 22.289,27.862 21.806,27.862 21.615,27.67 21.615,27.239 21.425,27.049 21.082,27.049 20.917,27.213 20.917,27.704 20.378,28.243 19.781,28.243
DQ6: RN3.2 U2.G2 | length 30.2
  TOP w0.127: U2.G2@16.64,32.395 ccw(c16.416,32.42) 16.576,32.58 ; U2.G2@16.761,32.515 cw(c16.735,32.739) 16.576,32.58 ; U2.G2@16.776,32.379 16.576,32.58 ; RN3.2@37.183,31.474 ccw(c37.031,31.625) 37.245,31.625 ccw(c37.46,31.625) RN3.2@37.308,31.474 ; RN3.2@37.245,31.169 37.245,31.828 30.442,38.631 19.114,38.631 16.066,35.583 16.066,33.646 16.576,33.136 16.576,32.58
DQ7: RN1.3 U2.H7 | length 14.7
  TOP w0.127: U2.H7@18.942,28.889 ccw(c18.709,28.656) 18.709,28.985 ccw(c18.709,29.315) U2.H7@18.942,29.082 ; U2.H7@19.039,28.985 18.143,28.985 17.895,29.233 16.701,29.233 16.447,29.487 16.447,30.097 16.726,30.376 18.174,30.376 19.978,28.573 20.333,28.573 20.545,28.785 20.935,28.785 21.502,28.217 22.721,28.217 23.203,27.735 24.709,27.735 24.908,27.536 RN1.3@25.458,27.536 ; RN1.3@25.154,27.473 ccw(c25.002,27.321) 25.002,27.536 ccw(c25.002,27.75) RN1.3@25.154,27.599
DQ8: RN5.2 U2.D7 | length 9.6
  TOP w0.127: U2.D7@21.302,31.248 21.843,31.248 22.774,32.179 23.15,32.179 23.23,32.174 24.292,31.113 24.608,31.113 24.862,31.367 25.769,31.367 26.277,30.859 27.189,30.859 RN5.2@28.391,29.657 ; U2.D7@21.398,31.151 cw(c21.631,30.918) 21.631,31.248 cw(c21.631,31.577) U2.D7@21.398,31.344 ; RN5.2@28.131,29.828 ccw(c27.917,29.828) 28.069,29.979 ccw(c28.22,30.131) RN5.2@28.22,29.917
DQ9: RN6.2 U2.C3 | length 21.6
  TOP w0.127: U2.C3@19.508,34.173 ccw(c19.275,34.406) 19.605,34.406 ccw(c19.934,34.406) U2.C3@19.701,34.173 ; U2.C3@19.605,34.076 19.605,34.691 19.239,35.056 19.239,35.434 21.014,37.209 29.579,37.209 34.807,31.981 RN6.2@34.807,31.246 ; RN6.2@34.744,31.55 ccw(c34.592,31.702) 34.807,31.702 ccw(c35.021,31.702) RN6.2@34.87,31.55
DQ10: RN5.4 U2.C8 | length 8.2
  TOP w0.127: U2.C8@22.337,31.151 cw(c22.104,30.918) 22.433,30.918 cw(c22.763,30.918) U2.C8@22.53,31.151 ; U2.C8@22.433,31.248 22.433,30.691 23.164,29.96 23.498,29.96 23.737,30.199 24.47,30.199 24.901,30.63 25.616,30.63 25.921,30.326 26.81,30.326 27.294,29.841 27.294,29.339 RN5.4@27.684,28.95 ; RN5.4@27.424,29.121 ccw(c27.21,29.121) 27.361,29.272 ccw(c27.513,29.424) RN5.4@27.513,29.209
DQ11: RN6.1 U2.C2 | length 22.9
  TOP w0.127: U2.C2@18.963,34.756 ccw(c18.87,34.897) 19.039,34.897 ; U2.C2@19.039,34.642 19.039,34.897 ; U2.C2@19.115,34.756 cw(c19.208,34.897) 19.039,34.897 ; RN6.1@35.244,31.55 ccw(c35.092,31.702) 35.307,31.702 ccw(c35.521,31.702) RN6.1@35.37,31.55 ; RN6.1@35.307,31.246 35.307,32.09 29.807,37.59 19.825,37.59 18.877,36.642 18.581,36.349 18.581,35.658 18.985,35.253 18.985,34.951 19.039,34.897
DQ12: RN5.1 U2.A7 | length 7.8
  TOP w0.127: U2.A7@22.999,32.945 24.652,32.945 26.458,31.138 27.344,31.138 27.902,30.58 28.176,30.58 RN5.1@28.745,30.011 ; U2.A7@23.095,32.848 cw(c23.328,32.615) 23.328,32.945 cw(c23.328,33.274) U2.A7@23.095,33.041 ; RN5.1@28.485,30.181 ccw(c28.271,30.181) 28.422,30.333 ccw(c28.574,30.485) RN5.1@28.574,30.27
DQ13: RN6.3 U2.A2 | length 18.1
  TOP w0.127: U2.A2@20.17,35.773 20.726,35.773 21.806,36.853 29.35,36.853 34.307,31.896 RN6.3@34.307,31.246 ; U2.A2@20.267,35.677 cw(c20.5,35.444) 20.5,35.773 cw(c20.5,36.103) U2.A2@20.267,35.87 ; RN6.3@34.244,31.55 ccw(c34.092,31.702) 34.307,31.702 ccw(c34.521,31.701) RN6.3@34.37,31.55
DQ14: RN5.3 U2.B8 | length 7.7
  TOP w0.127: U2.B8@22.999,31.813 23.199,31.613 ; U2.B8@23.014,31.678 cw(c23.039,31.453) 23.199,31.613 ; U2.B8@23.134,31.798 ccw(c23.359,31.773) 23.199,31.613 ; RN5.3@27.778,29.474 ccw(c27.563,29.474) 27.715,29.626 ccw(c27.867,29.778) RN5.3@27.867,29.563 ; RN5.3@28.038,29.304 27.648,29.693 27.648,29.945 27.013,30.58 26.099,30.58 25.718,30.961 24.829,30.961 24.346,30.478 23.777,30.478 23.211,31.044 ; 23.199,31.097 23.199,31.613 ; 23.199,31.097 23.211,31.085 23.211,31.044 ; 23.199,31.097 23.211,31.044
DQ15: RN6.4 U2.A3 | length 17
  TOP w0.127: U2.A3@20.736,35.207 22.001,36.472 29.19,36.472 33.807,31.856 RN6.4@33.807,31.246 ; U2.A3@20.736,35.344 ccw(c20.736,35.674) 20.969,35.441 ccw(c21.202,35.207) U2.A3@20.872,35.207 ; RN6.4@33.744,31.55 ccw(c33.592,31.702) 33.807,31.702 ccw(c34.021,31.701) RN6.4@33.87,31.55
DRAM-REF: C81.1 C83.2 C95.1 C96.1 R86.1 R90.2 U2.H1 U2.M8 | length 54.9
  TOP w0.127: C95.1@11.182,31.679 cw(c11.455,31.616) 11.383,31.886 ; C95.1@11.255,31.657 11.992,32.393 11.992,32.419 C83.2@12.703,33.13 ; C95.1@11.26,31.597 ccw(c11.214,31.856) C95.1@11.468,31.788 ; 11.759,32.282 cw(c12.046,32.205) R90.2@11.966,32.491 ; R90.2@11.919,32.441 cw(c12.192,32.378) 12.119,32.648 ; R90.2@11.996,32.359 ccw(c11.951,32.618) R90.2@12.204,32.55 ; 12.468,33.034 cw(c12.772,32.953) C83.2@12.675,33.252 ; C83.2@12.631,33.209 cw(c12.931,33.112) 12.849,33.416 ; C83.2@12.703,33.181 C83.2@12.703,33.13 ; C81.1@13.314,33.825 cw(c13.569,33.756) C81.1@13.522,34.016 ; 13.4,33.728 ccw(c13.328,33.997) C81.1@13.6,33.935 ; C81.1@13.467,33.962 cw(c13.728,33.915) C81.1@13.659,34.17 ; C81.1@13.549,33.884 ccw(c13.487,34.156) 13.756,34.084 ; C81.1@13.586,33.978 ccw(c13.865,34.131) 13.783,33.824 ; C81.1@13.627,33.788 cw(c13.754,33.568) 13.82,33.814 ; 14.048,34.577 cw(c14.319,34.505) R86.1@14.255,34.778 ; R86.1@14.146,34.492 ccw(c14.078,34.746) R86.1@14.337,34.7 ; R86.1@14.278,34.705 13.528,33.956 C81.1@13.516,33.943 ; 14.828,32.951 ccw(c15.101,33.024) v1@15.028,32.751 ; 14.845,32.926 cw(c14.786,32.706) v1@15.012,32.737 ; v1@15.023,32.726 cw(c14.992,32.5) 15.212,32.559 ; v1@15.037,32.742 ccw(c15.31,32.815) 15.237,32.542 ; 15.341,32.583 cw(c15.237,32.121) U2.H1@15.637,32.374 ; U2.H1@15.522,32.32 ccw(c15.3,32.214) 15.354,32.454 ccw(c15.416,32.729) U2.H1@15.57,32.493 ; U2.H1@15.645,32.379 15.409,32.379 ; 16.058,28.594 ccw(c15.992,28.839) v1@16.241,28.788 ; 16.061,28.59 cw(c16.307,28.524) v1@16.256,28.773 ; v1(16.253,28.786) 15.964,28.497 15.964,28.065 17.166,26.863 17.166,26.415 ; U2.M8@17.342,26.156 17.342,26.239 17.166,26.415 ; C83.2@12.703,33.13 12.728,33.155 C81.1@13.516,33.943 ; C81.1@13.516,33.943 13.846,33.943 v1@14.974,32.815 ; C81.1@13.534,33.763 cw(c13.534,32.577) 14.373,33.416 ccw(c13.534,32.577) C81.1@13.534,33.763 ; C81.1@13.534,33.763 ccw(c13.534,33.286) 13.196,33.624 cw(c13.534,33.286) C81.1@13.534,33.763 ; v1@14.974,32.815 v1@15.037,32.751 ; v1@14.974,32.815 v1(15.025,32.739) ; v1@14.974,32.815 14.974,32.789 v1(15.025,32.739) ; v1(15.025,32.739) v1@15.037,32.751 ; v1@15.037,32.751 ccw(c15.608,33.322) 15.64,32.516 cw(c15.608,33.322) v1@15.037,32.751 ; v1@15.037,32.751 15.409,32.379 ; v1@15.061,32.604 cw(c15.163,32.221) 15.362,32.564 ; v1@15.061,32.604 cw(c15.163,32.221) 15.362,32.564 ; v1@15.061,32.604 cw(c15.163,32.221) 15.362,32.564 ; v1@15.159,32.775 ccw(c15.428,32.847) 15.289,32.606 ; v1@15.159,32.775 ccw(c15.428,32.847) 15.289,32.606 ; v1@15.159,32.775 ccw(c15.428,32.847) 15.289,32.606 ; 15.409,32.379 ccw(c15.409,32.514) 15.527,32.447 cw(c15.409,32.514) 15.409,32.379 ; 15.409,32.379 cw(c15.409,32.244) 15.527,32.311 ccw(c15.409,32.244) 15.409,32.379 ; 16.015,28.547 ccw(c15.776,28.786) 16.114,28.786 cw(c15.776,28.786) 16.015,28.547 ; 16.015,28.547 cw(c16.253,28.309) 16.253,28.646 ccw(c16.253,28.309) 16.015,28.547 ; 17.166,26.415 cw(c17.023,26.271) 17.213,26.203 ccw(c17.023,26.271) 17.166,26.415 ; C95.1@11.248,31.85 ccw(c11.248,32.335) 11.59,31.992 cw(c11.248,32.335) C95.1@11.248,31.85 ; C95.1@11.434,31.664 cw(c11.85,31.664) 11.556,31.958 ccw(c11.85,31.664) C95.1@11.434,31.664 ; 11.638,32.04 ccw(c11.252,32.426) 11.798,32.426 cw(c11.252,32.426) 11.638,32.04 ; 11.734,32.135 cw(c11.984,31.885) 11.984,32.239 ccw(c11.984,31.885) 11.734,32.135 ; R90.2@11.984,32.612 ccw(c11.984,33.097) 12.327,32.754 cw(c11.984,33.097) R90.2@11.984,32.612 ; R90.2@12.171,32.426 cw(c12.587,32.426) 12.293,32.72 ccw(c12.587,32.426) R90.2@12.171,32.426 ; 12.331,32.759 ccw(c11.902,33.188) 12.509,33.188 cw(c11.902,33.188) 12.331,32.759 ; 12.488,32.915 cw(c12.696,32.708) 12.696,33.001 ccw(c12.696,32.708) 12.488,32.915 ; 12.548,32.975 ccw(c12.336,33.188) 12.636,33.188 cw(c12.336,33.188) 12.548,32.975 ; C83.2@12.696,33.247 ccw(c12.696,33.548) 12.908,33.335 cw(c12.696,33.548) C83.2@12.696,33.247 ; C83.2@12.696,33.374 ccw(c12.696,33.981) 13.125,33.552 cw(c12.696,33.981) C83.2@12.696,33.374 ; C83.2@12.882,33.188 cw(c13.176,33.188) 12.968,33.395 ccw(c13.176,33.188) C83.2@12.882,33.188 ; 13.223,33.651 ccw(c12.924,33.95) 13.347,33.95 cw(c12.924,33.95) 13.223,33.651 ; C81.1@13.534,33.89 cw(c13.534,33.011) 14.156,33.633 ccw(c13.534,33.011) C81.1@13.534,33.89 ; C81.1@13.534,34.017 cw(c13.534,33.444) 13.939,33.85 ccw(c13.534,33.444) C81.1@13.534,34.017 ; C81.1@13.534,34.136 ccw(c13.534,34.56) 13.833,34.26 cw(c13.534,34.56) C81.1@13.534,34.136 ; C81.1@13.72,33.95 cw(c14.198,33.95) 13.86,34.287 ccw(c14.198,33.95) C81.1@13.72,33.95 ; 13.942,34.369 ccw(c13.599,34.712) 14.084,34.712 cw(c13.599,34.712) 13.942,34.369 ; 13.976,34.404 cw(c14.27,34.109) 14.27,34.525 ccw(c14.27,34.109) 13.976,34.404 ; 14.768,33.02 cw(c14.486,32.739) 14.885,32.739 ccw(c14.486,32.739) 14.768,33.02 ; 14.829,32.959 ccw(c15.025,33.154) 15.025,32.878 cw(c15.025,33.154) 14.829,32.959 ; v1@15.025,32.599 cw(c15.025,32.2) 15.306,32.482 ccw(c15.025,32.2) v1@15.025,32.599 ; v1@15.164,32.739 ccw(c15.44,32.739) 15.245,32.543 cw(c15.44,32.739) v1@15.164,32.739 ; 15.242,32.546 ccw(c15.623,32.927) 15.645,32.389 cw(c15.623,32.927) 15.242,32.546 ; 15.448,32.341 ccw(c15.639,32.532) 15.65,32.262 cw(c15.639,32.532) 15.448,32.341
  BOTTOM w0.127: v1(15.025,32.739) 15.348,32.739 ; C96.1@16.661,29.193 16.661,29.295 C96.1@16.703,29.337 C96.1@16.853,29.487 ; C96.1@16.848,29.482 C96.1@16.853,29.487 ; 15.348,32.739 ccw(c15.348,32.433) 15.126,32.643 cw(c15.348,32.433) 15.348,32.739 ; 15.348,32.739 cw(c15.348,33.044) 15.126,32.834 ccw(c15.348,33.044) 15.348,32.739 ; 15.348,32.739 16.093,31.994 16.093,31.904 16.853,31.144 C96.1@16.853,29.487 ; C96.1@16.607,29.504 ccw(c16.011,30.1) 16.853,30.1 cw(c16.011,30.1) C96.1@16.607,29.504 ; C96.1@16.696,29.414 ccw(c16.317,29.793) 16.853,29.793 cw(c16.317,29.793) C96.1@16.696,29.414
  BOTTOM w0.152: v1(16.253,28.786) C96.1@16.661,29.193 ; v1@16.372,28.831 cw(c16.529,28.892) 16.445,29.038 ; C96.1@16.703,29.337 C96.1@16.848,29.482 ; v1@16.221,28.909 ccw(c16.126,29.26) 16.442,29.078 ; v1@16.221,28.909 ccw(c16.126,29.26) 16.442,29.078 ; v1@16.221,28.909 ccw(c16.126,29.26) 16.442,29.078 ; v1@16.376,28.819 cw(c16.617,28.883) 16.401,29.008 ; v1@16.376,28.819 cw(c16.617,28.883) 16.401,29.008 ; v1@16.376,28.819 cw(c16.617,28.883) 16.401,29.008 ; 16.47,29.003 ccw(c16.687,28.786) 16.38,28.786 cw(c16.687,28.786) 16.47,29.003 ; 16.47,29.003 cw(c16.253,29.219) 16.253,28.913 ccw(c16.253,29.219) 16.47,29.003 ; v1@16.299,28.832 ccw(c15.829,29.302) 16.494,29.302 cw(c15.829,29.302) v1@16.299,28.832 ; C96.1@16.544,29.077 cw(c16.668,28.953) 16.668,29.128 ccw(c16.668,28.953) C96.1@16.544,29.077